# Altium PCB ECU rev B pcb.PcbDoc (part 4 of 6) (continued)
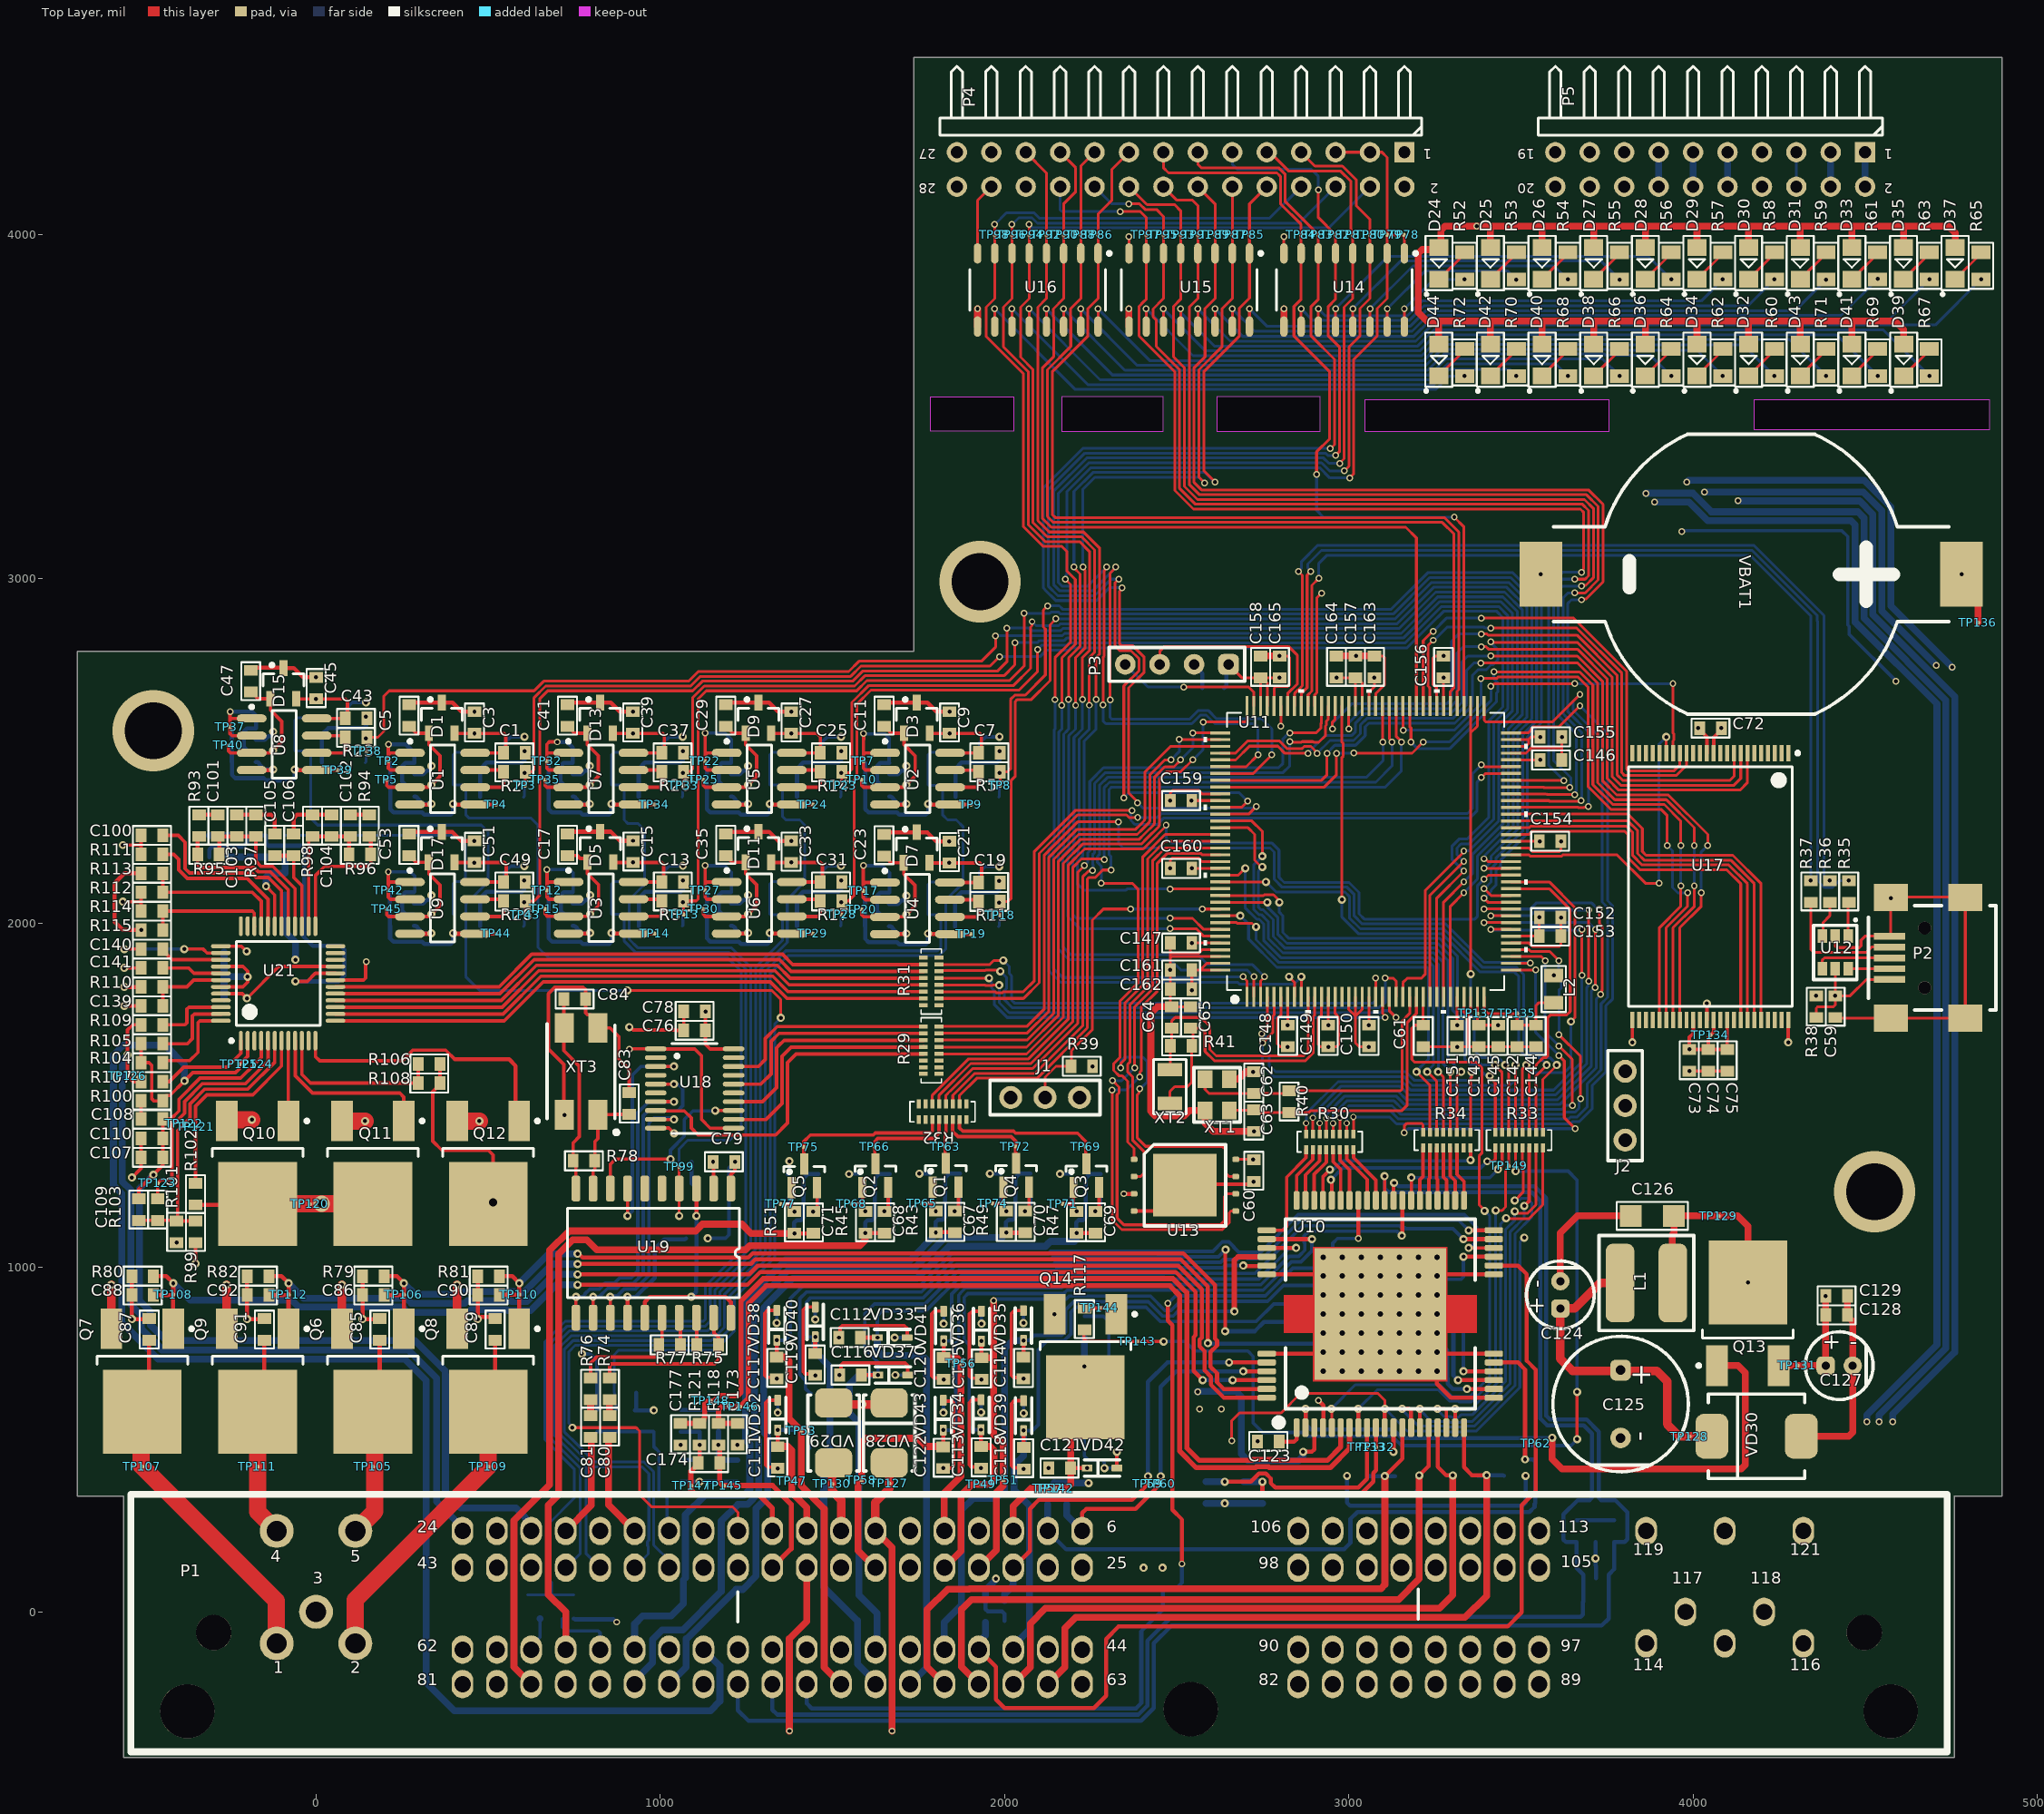
[diagram p0: Top Layer view]
## Nets (pads, with @x,y where several pads share a name; then routed paths per layer and width w, separated by ;. In a path a pad name is that pad's centre, name@x,y a point inside that pad or via, vN(x,y) a via of type N, cw(c..) or ccw(c..) an arc to the next point about the centre after c; other vN are vias at no path point) (continued)
MRD: C111.2 P1.14 TP47.0 VD10.0 VD16.2 VD32.1 | length 487.4
  Top Layer w12: C111.2@1341.36,479.63 v2(1341.36,528.25)
  Top Layer w20: C111.2@1341.36,479.63 1342.04,480.32 1370.08,480.32 1381.89,468.5 ; 1381.89,467.91 1381.89,346.46 1425.39,302.95 P1.14@1425.39,231.42
  Bottom Layer w12: v2(1341.36,528.25) 1424.51,528.25 1433.07,519.69 VD10.0@1433.07,476.38
NCE: U11.95 U17.9 | length 1876.7
  Top Layer w8: v2(2952.76,2564.79) 2952.76,2584.47 2960.59,2592.31 U11.95@2960.59,2630.49 ; v2(3385,2840) 3386,2841 3387,2840 3401.94,2840 3405.1,2836.84 3663.01,2836.84 3779.43,2720.42 3779.43,2431.48 3796.16,2414.76 4107.67,2414.76 4119.32,2426.41 U17.9@4119.32,2494.16
  Bottom Layer w8: v2(2952.76,2564.79) 2952.76,2581.76 3008,2637 3284.8,2637 3299,2651.2 3299,2819.31 3319.69,2840 v2(3385,2840)
NetC5_2: C5.2 D1.3 R1.2 TP5.0 U1.3 | length 379.3
  Top Layer w10: TP5.0@205.39,2416.42 205.39,2400.62 211.25,2394.76 U1.3@273.15,2394.76 324.84,2394.76 ; C5.2@270.39,2571.42 274.33,2571.42 285.08,2560.67 285.08,2557.98 290.94,2552.13 D1.3@327.99,2552.13 327.99,2518.82 360.39,2486.42 360.39,2426.42 v1(335.39,2401.42)
NetC6_2: C6.2 R3.5 R3.6 R3.7 R3.8 TP4.0 U1.5 | length 476.9
  Top Layer w10: U1.5@462.13,2344.76 TP4.0@523.25,2344.76
  Top Layer w12: v1(398.39,2346.42) 400.04,2344.76 U1.5@462.13,2344.76
  Bottom Layer w12: R3.8@215.55,2465.24 215.55,2461.57 215.39,2461.42 215.39,2367.76 R3.5@215.55,2367.6 215.55,2331.26 225.39,2321.42 307.99,2321.42 314.68,2314.73 391.36,2314.73 398.39,2321.76 v1(398.39,2346.42)
NetC11_2: C11.2 D3.3 R4.2 TP10.0 U2.3 | length 379.5
  Top Layer w10: TP10.0@1585.39,2416.42 1585.39,2400.62 1591.25,2394.76 1705.05,2394.76 ; C11.2@1650.39,2571.42 1654.33,2571.42 1665.08,2560.67 1665.08,2557.98 1670.94,2552.13 D3.3@1707.99,2552.13 1707.99,2518.82 1740.39,2486.42 1740.39,2426.42 v1(1715.39,2401.42)
NetC12_2: C12.2 R6.5 R6.6 R6.7 R6.8 TP9.0 U2.5 | length 476.9
  Top Layer w10: U2.5@1842.13,2344.76 TP9.0@1903.25,2344.76
  Top Layer w12: v1(1778.39,2346.42) 1780.04,2344.76 U2.5@1842.13,2344.76
  Bottom Layer w12: R6.8@1595.55,2465.24 1595.55,2461.57 1595.39,2461.42 1595.39,2367.76 R6.5@1595.55,2367.6 1595.55,2331.26 1605.39,2321.42 1687.99,2321.42 1694.68,2314.73 1771.36,2314.73 1778.39,2321.76 v1(1778.39,2346.42)
NetC17_2: C17.2 D5.3 R7.2 TP15.0 U3.3 | length 380.3
  Top Layer w10: TP15.0@665.91,2041.52 665.91,2026.52 672.56,2019.87 785.81,2019.87 ; C17.2@730.91,2196.52 759.48,2196.52 767.55,2188.44 781.69,2188.44 788.5,2181.63 788.5,2143.92 820.91,2111.52 820.91,2051.52 v1(795.91,2026.52)
NetC18_2: C18.2 R9.5 R9.6 R9.7 R9.8 TP14.0 U3.5 | length 476.9
  Top Layer w10: U3.5@922.64,1969.87 TP14.0@983.76,1969.87
  Top Layer w12: v1(858.9,1971.52) 860.55,1969.87 U3.5@922.64,1969.87
  Bottom Layer w12: R9.8@676.06,2090.34 676.06,2086.68 675.91,2086.52 675.91,1992.86 R9.5@676.06,1992.7 676.06,1956.36 685.91,1946.52 768.5,1946.52 775.19,1939.83 851.87,1939.83 858.9,1946.86 v1(858.9,1971.52)
NetC23_2: C23.2 D7.3 R10.2 TP20.0 U4.3 | length 379.4
  Top Layer w10: TP20.0@1585,2040 1585,2024.71 1590.86,2018.85 U4.3@1652.25,2018.85 ; C23.2@1650,2195 1653.94,2195 1664.69,2184.25 1664.69,2181.57 1670.54,2175.71 D7.3@1707.6,2175.71 1707.6,2142.4 1740,2110 1740,2050 v1(1715,2025) ; U4.3@1653.26,2018.85 v1@1706.09,2018.85
NetC24_2: C24.2 R12.5 R12.6 R12.7 R12.8 TP19.0 U4.5 | length 476.9
  Top Layer w10: U4.5@1841.73,1968.35 TP19.0@1902.86,1968.35
  Top Layer w12: v1(1777.99,1970) 1779.65,1968.35 U4.5@1841.73,1968.35
  Bottom Layer w12: R12.8@1595.16,2088.82 1595.16,2085.16 1595,2085 1595,1991.34 R12.5@1595.16,1991.18 1595.16,1954.84 1605,1945 1687.6,1945 1694.28,1938.31 1770.96,1938.31 1777.99,1945.34 v1(1777.99,1970)
NetC29_2: C29.2 D9.3 R13.2 TP25.0 U5.3 | length 379.5
  Top Layer w10: TP25.0@1125.39,2416.42 1125.39,2400.62 1131.25,2394.76 1245.05,2394.76 ; C29.2@1190.39,2571.42 1194.33,2571.42 1205.08,2560.67 1205.08,2557.98 1210.94,2552.13 D9.3@1247.99,2552.13 1247.99,2518.82 1280.39,2486.42 1280.39,2426.42 v1(1255.39,2401.42)
NetC30_2: C30.2 R15.5 R15.6 R15.7 R15.8 TP24.0 U5.5 | length 476.9
  Top Layer w10: U5.5@1382.13,2344.76 TP24.0@1443.25,2344.76
  Top Layer w12: v1(1318.39,2346.42) 1320.04,2344.76 U5.5@1382.13,2344.76
  Bottom Layer w12: R15.8@1135.55,2465.24 1135.55,2461.57 1135.39,2461.42 1135.39,2367.76 R15.5@1135.55,2367.6 1135.55,2331.26 1145.39,2321.42 1227.99,2321.42 1234.68,2314.73 1311.36,2314.73 1318.39,2321.76 v1(1318.39,2346.42)
NetC35_2: C35.2 D11.3 R16.2 TP30.0 U6.3 | length 380.3
  Top Layer w10: TP30.0@1125.39,2041.42 1125.39,2025.62 1131.25,2019.76 1245.05,2019.76 ; C35.2@1190.39,2196.42 1194.33,2196.42 1205.08,2185.67 1205.08,2181.73 1209.69,2177.13 D11.3@1247.99,2177.13 1247.99,2143.82 1280.39,2111.42 1280.39,2051.42 v1(1255.39,2026.42)
NetC36_2: C36.2 R18.5 R18.6 R18.7 R18.8 TP29.0 U6.5 | length 476.9
  Top Layer w10: U6.5@1382.13,1969.76 TP29.0@1443.25,1969.76
  Top Layer w12: v1(1318.39,1971.42) 1320.04,1969.76 U6.5@1382.13,1969.76
  Bottom Layer w12: R18.8@1135.55,2090.24 1135.55,2086.57 1135.39,2086.42 1135.39,1992.76 R18.5@1135.55,1992.6 1135.55,1956.26 1145.39,1946.42 1227.99,1946.42 1234.68,1939.73 1311.36,1939.73 1318.39,1946.76 v1(1318.39,1971.42)
NetC41_2: C41.2 D13.3 R19.2 TP35.0 U7.3 | length 379.5
  Top Layer w10: TP35.0@665.39,2416.42 665.39,2400.62 671.25,2394.76 785.05,2394.76 ; C41.2@730.39,2571.42 734.33,2571.42 745.08,2560.67 745.08,2557.98 750.94,2552.13 D13.3@787.99,2552.13 787.99,2518.82 820.39,2486.42 820.39,2426.42 v1(795.39,2401.42)
NetC42_2: C42.2 R21.5 R21.6 R21.7 R21.8 TP34.0 U7.5 | length 476.9
  Top Layer w10: U7.5@922.13,2344.76 TP34.0@983.25,2344.76
  Top Layer w12: v1(858.39,2346.42) 860.04,2344.76 U7.5@922.13,2344.76
  Bottom Layer w12: R21.8@675.55,2465.24 675.55,2461.57 675.39,2461.42 675.39,2367.76 R21.5@675.55,2367.6 675.55,2331.26 685.39,2321.42 767.99,2321.42 774.68,2314.73 851.36,2314.73 858.39,2321.76 v1(858.39,2346.42)
NetC44_2: C44.2 C96.1 R22.1 R88.2 TP36.0 TP117.0 VD8.2 | length 3869.4
  Top Layer w8: v1(905,1805) 1323.79,1805 1350,1778.79 v1(1350,1725)
  Bottom Layer w8: VD8.2@2.09,2596.42 TP36.0@-26.26,2596.42 -54.61,2596.42 -61.61,2589.41 C44.2@-61.61,2556.42 R22.1@-61.61,2501.42 -60.2,2500 -30,2500 -15,2485 -15,2305 5,2285 480,2285 500,2265 500,2120 435,2055 435,1845 475,1805 v1(905,1805) ; R88.2@871.34,585.12 871.34,601.1 867.28,605.16 C96.1@867.28,636.06 866.14,637.2 TP117.0@866.14,712.6 866.14,746.54 879.6,760 1160,760 1215,815 1215,911 1333,1029 1333,1708 v1(1350,1725)
NetC47_2: C47.2 D15.3 R22.2 TP40.0 U8.3 | length 379.5
  Top Layer w10: TP40.0@-254.61,2516.42 -254.61,2500.62 -248.75,2494.76 -134.95,2494.76 ; C47.2@-189.61,2671.42 -185.67,2671.42 -174.92,2660.67 -174.92,2657.98 -169.06,2652.13 D15.3@-132.01,2652.13 -132.01,2618.82 -99.61,2586.42 -99.61,2526.42 v1(-124.61,2501.42)
NetC48_2: C48.2 R24.5 R24.6 R24.7 R24.8 TP39.0 U8.5 | length 476.9
  Top Layer w10: U8.5@2.13,2444.76 TP39.0@63.25,2444.76
  Top Layer w12: v1(-61.61,2446.42) -59.96,2444.76 U8.5@2.13,2444.76
  Bottom Layer w12: R24.8@-244.45,2565.24 -244.45,2561.57 -244.61,2561.42 -244.61,2467.76 R24.5@-244.45,2467.6 -244.45,2431.26 -234.61,2421.42 -152.01,2421.42 -145.32,2414.73 -68.64,2414.73 -61.61,2421.76 v1(-61.61,2446.42)
NetC50_2: C50.2 C98.1 R25.1 R91.2 TP41.0 TP119.0 VD9.2 | length 796.1
  Bottom Layer w8: R91.2@-90,2255 C98.1@-35,2255 TP119.0@5.17,2255 406.21,2255 433.51,2227.7 TP41.0@433.51,2121.05 ; R25.1@398.16,2026.05 C50.2@398.16,2081.05 398.16,2114.04 405.17,2121.05 TP41.0@433.51,2121.05 ; VD9.2@461.86,2121.05 TP41.0@433.51,2121.05
NetC53_2: C53.2 D17.3 R25.2 TP45.0 U9.3 | length 379.5
  Top Layer w10: TP45.0@205.17,2041.05 205.17,2025.25 211.02,2019.39 324.83,2019.39 ; C53.2@270.17,2196.05 274.1,2196.05 284.85,2185.3 284.85,2182.61 290.71,2176.76 D17.3@327.76,2176.76 327.76,2143.45 360.17,2111.05 360.17,2051.05 v1(335.17,2026.05)
NetC54_2: C54.2 R27.5 R27.6 R27.7 R27.8 TP44.0 U9.5 | length 476.9
  Top Layer w10: U9.5@461.9,1969.39 TP44.0@523.02,1969.39
  Top Layer w12: v1(398.16,1971.05) 399.81,1969.39 U9.5@461.9,1969.39
  Bottom Layer w12: R27.8@215.32,2089.87 215.32,2086.2 215.17,2086.05 215.17,1992.39 R27.5@215.32,1992.23 215.32,1955.89 225.17,1946.05 307.76,1946.05 314.45,1939.36 391.13,1939.36 398.16,1946.39 v1(398.16,1971.05)
NetC80_1: C80.1 R74.1 | length 47.8
  Top Layer w20: R74.1@852.73,616.41 852.73,575.15 855.24,572.63 C80.1@858.27,572.63
NetC81_1: C81.1 R76.1 | length 46.8
  Top Layer w20: C81.1@797.73,569.4 797.73,610.66 798.12,611.05 R76.1@803.15,611.05
NetC82_2: C82.2 U19.3 U19.15 U19.20 | length 837.6
  Top Layer w12: U19.15@955.12,854.33 955.12,900.12 970,915 1085,915 1190,915 1205.12,899.88 U19.20@1205.12,854.33 ; v1(1105,1150) 1105,1225 1105.12,1225.12 U19.3@1105.12,1229.53
  Bottom Layer w12: v1(1090,915) 1104,929 1104,976.63 1105,977.63 1105,1230 1090.55,1244.45 C82.2@1090.55,1307.09
NetC83_2: C83.2 R78.1 U19.9 XT3.1 | length 311.6
  Top Layer w10: U19.9@805.12,1229.53 805,1229.65 805,1280 810,1285 R78.1@810,1310 810,1365 819.21,1374.21 XT3.1@819.21,1444.02 864.02,1444.02 865,1445 C83.2@910,1445
NetC84_2: C84.2 R78.2 U19.10 XT3.2 | length 581
  Top Layer w10: C84.2@720,1780 XT3.2@720,1696.77 ; XT3.2@720.79,1695.98 XT3.2@720,1696.77 ; U19.10@755.12,1229.53 755.12,1301.89 R78.2@747.01,1310 747.01,1362.01 765,1380 765,1585 720,1630 XT3.2@720,1696.77
NetC93_2: C93.2 R83.1 R84.1 | length 110
  Bottom Layer w12: R84.1@3661.78,265.55 R83.1@3771.78,265.55
NetC95_2: C95.2 R86.2 | length 55
  Bottom Layer w20: C95.2@-310,2255 R86.2@-255,2255
NetC100_1: C100.1 U21.30 | length 559.3
  Top Layer w10: C100.1@-445,2255 -400,2255 -380,2235 -380,2158.69 -367.31,2146 -186.25,2146 -173.25,2133 -138.48,2133 -100.16,2094.68 U21.30@-100.16,1991.34
NetC101_1: C101.1 R93.1 | length 55
  Top Layer w12: R93.1@-340,2315 C101.1@-285,2315
NetC101_2: C101.2 C103.1 R95.1 R97.1 U21.28 | length 492
  Top Layer w10: R97.1@-175,2252.01 -175,2180 -160,2165 -125.23,2165 -60.79,2100.56 U21.28@-60.79,1991.34
  Top Layer w12: R95.1@-280.94,2200 -280.94,2247.95 C101.2@-285,2252.01 C103.1@-230,2252.01 R97.1@-175,2252.01
NetC102_1: C102.1 R94.1 | length 55
  Top Layer w12: C102.1@100,2315 R94.1@155,2315
NetC102_2: C102.2 C104.1 R96.1 R98.1 U21.26 | length 428.8
  Top Layer w10: U21.26@-21.42,1991.34 -21.42,2241.26 R98.1@-10.67,2252.01
  Top Layer w12: R98.1@-10,2252.01 C102.2@100,2252.01 96.06,2248.07 R96.1@96.06,2200
NetC103_2: C103.2 C105.2 R97.2 | length 160.1
  Top Layer w12: C103.2@-230,2315 R97.2@-175,2315 -130,2315 -120,2305 C105.2@-120,2259.06
NetC104_2: C104.2 C106.1 R98.2 | length 160.1
  Top Layer w12: C106.1@-65,2259.06 -65,2305 -55,2315 R98.2@-10,2315 C104.2@45,2315
NetC105_1: C105.1 C106.2 U21.27 | length 269.6
  Top Layer w10: C106.2@-65,2196.06 -65,2133.36 -41.1,2109.46 U21.27@-41.1,1991.34
  Top Layer w12: C105.1@-120,2196.06 C106.2@-65,2196.06
NetC108_1: C108.1 R100.1 | length 53.4
  Top Layer w10: C108.1@-507.99,1431.65 R100.1@-507.99,1485
NetC109_1: C109.1 R99.2 R101.1 R103.2 TP122.0 U21.6 | length 880.8
  Top Layer w10: C109.1@-515,1137.01 -407.01,1137.01 R101.1@-405,1135 ; R99.2@-350,1135 R101.1@-405,1135 ; U21.6@-119.84,1658.66 -119.84,1596.64 -198.54,1517.94 -323.49,1517.94 -366,1475.43 -366,1434.14 TP122.0@-382,1418.14 -402.25,1397.89 -402.25,1137.75 R101.1@-405,1135
NetC123_1: C123.1 U10.1 | length 87.9
  Top Layer w12: C123.1@2797.66,493.92 2841.5,493.92 2848.78,501.2 U10.1@2848.78,535
NetC139_2: C139.2 R110.1 U21.42 | length 231.9
  Top Layer w10: C139.2@-445,1760 R110.1@-445,1815 -375,1815 -355.16,1834.84 U21.42@-276.34,1834.84
NetC140_1: C140.1 U21.38 | length 335.3
  Top Layer w10: v1(-557.44,1925) C140.1@-507.99,1925 ; v1(-382.9,1925) -327.91,1925 -316.49,1913.58 U21.38@-276.34,1913.58
  Bottom Layer w10: v1(-557.44,1925) v1(-382.9,1925)
NetC140_2: C140.2 U21.39 | length 183.8
  Top Layer w10: C140.2@-445,1925 -445,1921.06 -434.25,1910.31 -417.82,1893.88 U21.39@-276.34,1893.9
NetC141_1: C141.1 U21.41 | length 175.1
  Top Layer w10: C141.1@-445,1870 -370,1870 -354.53,1854.53 U21.41@-276.34,1854.53
NetC142_1: C142.1 C144.2 L2.1 TP135.0 U11.36 | length 339.4
  Top Layer w8: U11.36@3393.66,1786.49 3393.66,1748.42 3404.07,1738.02 TP135.0@3489.38,1738.02 C142.1@3489.38,1703.81 C144.2@3544.5,1703.81 3544.5,1761.1 3552.91,1769.51 L2.1@3595.68,1769.51
NetC143_1: C143.1 C145.2 J2.2 TP137.0 U11.35 | length 764.6
  Top Layer w8: U11.35@3373.98,1786.49 3373.98,1708.31 C143.1@3378.48,1703.81 v2(3434.26,1703.81)
  Power w20: v2(3434.26,1703.81) 3479.45,1749 3688,1749 3733,1704 3733,1497.14 3759.84,1470.3 3802.93,1470.3 J2.2@3803.15,1470.08
NetC146_2: C146.2 C147.2 U11.68 U11.103 U11.140 | length 1845
  Top Layer w8: v1(2544.5,1942.74) U11.140@2627.17,1942.74 ; v2@2803.13,2572.68 U11.103@2803.11,2630.49 ; U11.68@3471.17,2474.24 v1(3556.31,2474.24)
  Power w10: v1(2544.5,1942.74) 2544.5,1941.55 v1@2547.24,1938.8
  Power w20: v1@2547.24,1938.8 2547.24,2084.47 2610.24,2147.47 2610.24,2449.28 2621.95,2461 2803.15,2461 ; v2(2803.15,2572.66) 2803.15,2461 ; v1(3556.31,2474.24) 3408.25,2474.24 3396.53,2485.95 3319.5,2485.95 3295.97,2462.43 3119.43,2462.43 3118,2461 2803.15,2461
NetC170_2: C170.2 R119.1 R120.1 | length 110.8
  Bottom Layer w12: R119.1@1059.06,586.61 1059.74,585.93 1113.49,585.93 R120.1@1114.17,586.61 C170.2@1169.29,586.61
NetD19_+: D19.1 Q1.1 R43.2 TP65.0 | length 155.9
  Top Layer w10: TP65.0@1760.63,1186.02 1791.83,1186.02 ; Q1.1@1791.83,1233.39 1791.83,1186.02 ; v1(1800.59,1164) 1791.83,1172.76 1791.83,1186.02
  Bottom Layer w10: D19.1@1784.25,1205.71 1784.25,1178.15 1800,1162.4 1800.59,1162.99 v1(1800.59,1164)
NetD20_+: D20.1 Q2.1 R45.2 TP68.0 | length 155.9
  Top Layer w10: TP68.0@1556.34,1184.96 1587.54,1184.96 ; Q2.1@1587.54,1232.33 1587.54,1184.96 ; v1(1596.3,1162.94) 1587.54,1171.7 1587.54,1184.96
  Bottom Layer w10: D20.1@1579.96,1204.65 1579.96,1177.09 1595.71,1161.34 1596.3,1161.93 v1(1596.3,1162.94)
NetD21_+: D21.1 Q3.1 R47.2 TP71.0 | length 155.9
  Top Layer w10: TP71.0@2169.29,1185.04 2200.49,1185.04 ; Q3.1@2200.49,1232.41 2200.49,1185.04 ; v1(2209.25,1163.02) 2200.49,1171.78 2200.49,1185.04
  Bottom Layer w10: D21.1@2192.91,1204.72 2192.91,1177.17 2208.66,1161.42 2209.25,1162.01 v1(2209.25,1163.02)
NetD22_+: D22.1 Q4.1 R49.2 TP74.0 | length 155.9
  Top Layer w10: TP74.0@1965.39,1186.02 1996.59,1186.02 ; Q4.1@1996.59,1233.39 1996.59,1186.02 ; v1(2005.35,1164) 1996.59,1172.76 1996.59,1186.02
  Bottom Layer w10: D22.1@1989.02,1205.71 1989.02,1178.15 2004.76,1162.4 2005.35,1162.99 v1(2005.35,1164)
NetD23_+: D23.1 Q5.1 R51.2 TP77.0 | length 155.9
  Top Layer w10: TP77.0@1349.84,1184.53 1381.04,1184.53 ; Q5.1@1381.04,1231.9 1381.04,1184.53 ; v1(1389.8,1162.5) 1381.04,1171.27 1381.04,1184.53
  Bottom Layer w10: D23.1@1373.46,1204.21 1373.46,1176.65 1389.21,1160.91 1389.8,1161.5 v1(1389.8,1162.5)
NetD24_-: D24.1 R52.2 | length 106.1
  Top Layer w8: D24.1@3262.41,3869.98 R52.2@3337.41,3944.98
NetD25_-: D25.1 R53.2 | length 106.1
  Top Layer w8: D25.1@3411.83,3869.98 R53.2@3486.83,3944.98
NetD26_-: D26.1 R54.2 | length 106.1
  Top Layer w8: D26.1@3561.83,3869.98 R54.2@3636.83,3944.98
NetD27_-: D27.1 R55.2 | length 106.1
  Top Layer w8: D27.1@3711.83,3869.98 R55.2@3786.83,3944.98
NetD28_-: D28.1 R56.2 | length 106.1
  Top Layer w8: D28.1@3861.83,3869.98 R56.2@3936.83,3944.98
NetD29_-: D29.1 R57.2 | length 106.1
  Top Layer w8: D29.1@4011.83,3869.98 R57.2@4086.83,3944.98
NetD30_-: D30.1 R58.2 | length 106.1
  Top Layer w8: D30.1@4161.83,3869.98 R58.2@4236.83,3944.98
NetD31_-: D31.1 R59.2 | length 106.1
  Top Layer w8: D31.1@4311.83,3869.98 R59.2@4386.83,3944.98
NetD32_-: D32.1 R60.2 | length 106.1
  Top Layer w8: D32.1@4161.83,3589.27 R60.2@4236.83,3664.27
NetD33_-: D33.1 R61.2 | length 106.1
  Top Layer w8: D33.1@4461.83,3869.98 R61.2@4536.83,3944.98
NetD34_-: D34.1 R62.2 | length 106.1
  Top Layer w8: D34.1@4011.83,3589.27 R62.2@4086.83,3664.27
NetD35_-: D35.1 R63.2 | length 106.1
  Top Layer w8: D35.1@4611.83,3869.98 R63.2@4686.83,3944.98
NetD36_-: D36.1 R64.2 | length 106.1
  Top Layer w8: D36.1@3861.83,3589.27 R64.2@3936.83,3664.27
NetD37_-: D37.1 R65.2 | length 106.1
  Top Layer w8: D37.1@4761.83,3869.98 R65.2@4836.83,3944.98
NetD38_-: D38.1 R66.2 | length 106.1
  Top Layer w8: D38.1@3711.83,3589.27 R66.2@3786.83,3664.27
NetD39_-: D39.1 R67.2 | length 106.1
  Top Layer w8: D39.1@4612.41,3589.27 R67.2@4687.41,3664.27
NetD40_-: D40.1 R68.2 | length 106.1
  Top Layer w8: D40.1@3561.83,3589.27 R68.2@3636.83,3664.27
NetD41_-: D41.1 R69.2 | length 106.1
  Top Layer w8: D41.1@4461.83,3589.27 R69.2@4536.83,3664.27
NetD42_-: D42.1 R70.2 | length 106.1
  Top Layer w8: D42.1@3411.83,3589.27 R70.2@3486.83,3664.27
NetD43_-: D43.1 R71.2 | length 106.1
  Top Layer w8: D43.1@4311.83,3589.27 R71.2@4386.83,3664.27
NetD44_-: D44.1 R72.2 | length 106.1
  Top Layer w8: D44.1@3261.83,3589.27 R72.2@3336.83,3664.27
NetP2_2: P2.2 U12.6 | length 120.1
  Top Layer w8: U12.6@4450.79,1867.94 P2.2@4570.87,1867.94
NetP2_3: P2.3 U12.4 | length 222.9
  Top Layer w8: U12.4@4375.98,1867.94 4375.98,1893.53 4381.89,1899.43 P2.3@4570.87,1899.43
NetP2_4: P2.4 R37.2 | length 375.9
  Top Layer w8: R37.2@4342.52,2060.85 4342.52,1923.06 4350.39,1915.18 4503.94,1915.18 4519.69,1930.93 P2.4@4570.87,1930.93
NetQ10_1: Q10.1 U21.8 | length 232
  Top Layer w10: Q10.1@-80.47,1425.63 U21.8@-80.47,1657.63
NetQ11_1: Q11.1 U21.9 | length 511.8
  Top Layer w10: U21.9@-60.44,1658.32 -60.44,1557.11 -9.77,1506.44 243.47,1506.44 255.16,1494.75 Q11.1@255.16,1425.63
NetQ12_1: Q12.1 U21.12 | length 828.6
  Top Layer w10: U21.12@-1.73,1658.66 -1.73,1613.01 10.94,1600.34 250.59,1600.34 281.54,1631.29 376.77,1631.29 403.34,1604.72
  Top Layer w12: 403.34,1604.72 561.01,1604.72 580,1585.73 580,1435.79 Q12.1@590.16,1425.63
NetQ14_1: Q14.1 R117.1 TP144.0 | length 100
  Top Layer w10: R117.1@2232.28,881.89 2307.45,881.89 Q14.1@2324.99,864.35
NetR2_1: R2.1 U1.6 U1.7 | length 208.7
  Top Layer w10: U1.6@462.13,2394.76 538.74,2394.76 544.65,2400.67 R2.1@544.65,2439.76 539.65,2444.76 U1.7@462.13,2444.76
NetR3_1: R3.1 R3.3 TP2.0 U1.1 U1.2 | length 444.5
  Top Layer w10: v2(211,2520) 210.39,2519.39 210.39,2488.91 ; U1.2@273.15,2444.76 216.25,2444.76 210.39,2450.62 210.39,2488.91 ; U1.1@273.15,2494.76 216.25,2494.76 210.39,2488.91
  Bottom Layer w12: v2(211,2520) 261,2520 285.24,2495.76 R3.1@285.24,2465.24 259.21,2465.24 250.39,2456.42 250.39,2411.42 261.14,2400.67 R3.3@285.24,2400.67 286.14,2400.67 R3.3@290.39,2396.42
NetR5_1: R5.1 U2.6 U2.7 | length 207.8
  Top Layer w10: U2.6@1842.13,2394.76 1918.74,2394.76 1924.65,2400.67 R5.1@1924.65,2439.76 1920.23,2444.18 U2.7@1842.71,2444.18
NetR6_1: R6.1 R6.3 TP7.0 U2.1 U2.2 | length 513.2
  Top Layer w10: 1590.55,2535 1590.55,2489.06 ; v2(1590.71,2551.18) 1591,2550.89 1591,2535 ; U2.2@1653.15,2444.76 1596.25,2444.76 1590.39,2450.62 TP7.0@1590.39,2470.16 1590.55,2470.32 1590.55,2489.06 ; U2.1@1653.15,2494.76 1596.25,2494.76 1590.55,2489.06
  Bottom Layer w10: v2(1590.71,2551.18) 1591.89,2550 1653,2550 1665.24,2537.76 R6.1@1665.24,2465.24
  Bottom Layer w12: R6.1@1665.24,2465.24 1639.21,2465.24 1630.39,2456.42 1630.39,2411.42 1641.14,2400.67 R6.3@1665.24,2400.67 1666.14,2400.67 R6.3@1670.39,2396.42
NetR8_1: R8.1 U3.6 U3.7 | length 208.7
  Top Layer w10: U3.6@922.64,2019.87 999.25,2019.87 1005.16,2025.77 R8.1@1005.16,2064.87 1000.16,2069.87 U3.7@922.64,2069.87
NetR9_1: R9.1 R9.3 TP12.0 U3.1 U3.2 | length 476.6
  Top Layer w10: v2(671,2156) 670.95,2155.95 670.95,2114.05 ; U3.2@733.66,2069.87 676.76,2069.87 670.91,2075.72 TP12.0@670.91,2095.26 670.95,2095.31 670.95,2114.05 ; U3.1@733.66,2119.87 676.76,2119.87 670.95,2114.05
  Bottom Layer w10: v2(671,2156) 737,2156 747,2146 747,2091.59 R9.1@745.75,2090.34
  Bottom Layer w12: R9.1@745.75,2090.34 719.72,2090.34 710.91,2081.52 710.91,2036.52 721.65,2025.77 R9.3@745.75,2025.77 746.65,2025.77 R9.3@750.91,2021.52
NetR11_1: R11.1 U4.6 U4.7 | length 208.7
  Top Layer w10: U4.6@1841.73,2018.35 1918.35,2018.35 1924.25,2024.25 R11.1@1924.25,2063.35 1919.25,2068.35 U4.7@1841.73,2068.35
NetR12_1: R12.1 R12.3 TP17.0 U4.1 U4.2 | length 495.6
  Top Layer w10: v2(1590,2167.23) 1590,2112.49 ; U4.2@1652.76,2068.35 1595.86,2068.35 1590,2074.2 1590,2112.49 ; U4.1@1652.76,2118.35 1595.86,2118.35 1590,2112.49
  Bottom Layer w10: v2(1590,2167.23) 1590.23,2167 1645,2167 1666,2146 1666,2089.98 R12.1@1664.84,2088.82
  Bottom Layer w12: R12.1@1664.84,2088.82 1638.82,2088.82 1630,2080 1630,2035 1640.75,2024.25 R12.3@1664.84,2024.25 1665.75,2024.25 R12.3@1670,2020
NetR14_1: R14.1 U5.6 U5.7 | length 208.7
  Top Layer w10: U5.6@1382.13,2394.76 1458.74,2394.76 1464.65,2400.67 R14.1@1464.65,2439.76 1459.65,2444.76 U5.7@1382.13,2444.76
NetR15_1: R15.1 R15.3 TP22.0 U5.1 U5.2 | length 516.8
  Top Layer w10: v2(1130.26,2552.74) 1130.39,2552.61 1130.39,2488.91 ; U5.2@1193.15,2444.76 1136.25,2444.76 1130.39,2450.62 1130.39,2488.91 ; U5.1@1193.15,2494.76 1136.25,2494.76 1130.39,2488.91
  Bottom Layer w10: v2(1130.26,2552.74) 1130.26,2551.74 1131,2551 1132.74,2552.74 1187.26,2552.74 1206,2534 1206,2466 R15.1@1205.24,2465.24
  Bottom Layer w12: R15.1@1205.24,2465.24 1179.21,2465.24 1170.39,2456.42 1170.39,2411.42 1181.14,2400.67 R15.3@1205.24,2400.67 1206.14,2400.67 R15.3@1210.39,2396.42
NetR17_1: R17.1 U6.6 U6.7 | length 208.4
  Top Layer w10: U6.6@1382.13,2019.76 1458.74,2019.76 1464.65,2025.67 R17.1@1464.65,2064.76 1459.85,2069.56 U6.7@1382.33,2069.56
NetR18_1: R18.1 R18.3 TP27.0 U6.1 U6.2 | length 496.4
  Top Layer w10: v2(1130,2168) 1130.39,2167.61 1130.39,2113.91 ; U6.2@1193.15,2069.76 1136.25,2069.76 1130.39,2075.62 1130.39,2113.91 ; U6.1@1193.15,2119.76 1136.25,2119.76 1130.39,2113.91
  Bottom Layer w10: v2(1130,2168) 1131,2167 1188,2167 1207,2148 1207,2092 R18.1@1205.24,2090.24
  Bottom Layer w12: R18.1@1205.24,2090.24 1179.21,2090.24 1170.39,2081.42 1170.39,2036.42 1181.14,2025.67 R18.3@1205.24,2025.67 1206.14,2025.67 R18.3@1210.39,2021.42
NetR20_1: R20.1 U7.6 U7.7 | length 208.7
  Top Layer w10: U7.6@922.13,2394.76 998.74,2394.76 1004.65,2400.67 R20.1@1004.65,2439.76 999.65,2444.76 U7.7@922.13,2444.76
NetR21_1: R21.1 R21.3 TP32.0 U7.1 U7.2 | length 456.5
  Top Layer w10: v2(701.24,2526.76) 677.76,2526.76 670.39,2519.39 670.39,2494.76 ; U7.2@733.15,2444.76 676.25,2444.76 670.39,2450.62 670.39,2494.76 ; U7.1@733.15,2494.76 670.39,2494.76
  Bottom Layer w12: v2(701.24,2526.76) 702,2526 730,2526 745.24,2510.76 R21.1@745.24,2465.24 719.21,2465.24 710.39,2456.42 710.39,2411.42 721.14,2400.67 R21.3@745.24,2400.67 746.14,2400.67 R21.3@750.39,2396.42
NetR23_1: R23.1 U8.6 U8.7 | length 208.7
  Top Layer w10: U8.6@2.13,2494.76 78.74,2494.76 84.65,2500.67 R23.1@84.65,2539.76 79.65,2544.76 U8.7@2.13,2544.76
NetR24_1: R24.1 R24.3 TP37.0 U8.1 U8.2 | length 440.3
  Top Layer w10: v2(-249,2615) -249.61,2614.39 -249.61,2594.76 ; U8.2@-186.85,2544.76 -243.75,2544.76 -249.61,2550.62 -249.61,2594.76 ; U8.1@-186.85,2594.76 -249.61,2594.76
  Bottom Layer w12: v2(-249,2615) -186,2615 -174,2603 -174,2570 -174.76,2569.24 R24.1@-174.76,2565.24 -200.79,2565.24 -209.61,2556.42 -209.61,2511.42 -198.86,2500.67 R24.3@-174.76,2500.67 -173.86,2500.67 R24.3@-169.61,2496.42
NetR26_1: R26.1 U9.6 U9.7 | length 208.7
  Top Layer w10: U9.6@461.9,2019.39 538.51,2019.39 544.42,2025.3 R26.1@544.42,2064.39 539.42,2069.39 U9.7@461.9,2069.39
NetR27_1: R27.1 R27.3 TP42.0 U9.1 U9.2 | length 463.8
  Top Layer w10: v2(210,2149) 210.08,2148.92 210.08,2113.54 ; U9.2@272.92,2069.39 216.02,2069.39 210.17,2075.25 210.17,2113.54 216.02,2119.39 U9.1@272.92,2119.39
  Bottom Layer w10: v2(210,2149) 275,2149 287,2137 287,2091.86 R27.1@285.01,2089.87
  Bottom Layer w12: R27.1@285.01,2089.87 258.98,2089.87 250.17,2081.05 250.17,2036.05 260.91,2025.3 R27.3@285.01,2025.3 285.91,2025.3 R27.3@290.17,2021.05
NetR35_2: R35.2 U12.1 | length 99.2
  Top Layer w8: U12.1@4450.79,1962.43 4450.79,2058.88 R35.2@4452.76,2060.85
NetR36_2: R36.2 U12.3 | length 107.4
  Top Layer w8: U12.3@4375.98,1962.43 4377.95,1964.39 4377.95,2001.8 4397.64,2021.48 R36.2@4397.64,2060.85
NetR52_1: R52.1 U14.16 | length 261.8
  Top Layer w8: U14.16@3161.83,3732.97 v2(3161.83,3784.27)
  Bottom Layer w8: v2(3161.83,3784.27) 3247.54,3869.98 v2(3336.83,3869.98)
NetR53_1: R53.1 U14.15 | length 482.2
  Top Layer w8: U14.15@3111.83,3732.97 v2(3111.83,3784.27)
  Bottom Layer w8: v2(3111.83,3784.27) 3221.83,3894.27 3461.83,3894.27 v2(3486.83,3869.27)
NetR54_1: R54.1 U14.14 | length 694.4
  Top Layer w8: U14.14@3061.83,3732.97 v2(3061.83,3784.27)
  Bottom Layer w8: v2(3061.83,3784.27) 3186.83,3909.27 3596.83,3909.27 3636.12,3869.98 v2(3636.83,3869.98)
NetR55_1: R55.1 U14.13 | length 913.2
  Top Layer w8: U14.13@3011.83,3732.97 v2(3011.83,3784.27)
  Bottom Layer w8: v2@3009.59,3790.24 3009.59,3786.5 v2(3011.83,3784.27) 3150.83,3923.27 3732.83,3923.27 v2(3786.83,3869.27)
NetR56_1: R56.1 U14.12 | length 1117.5
  Top Layer w8: U14.12@2961.83,3732.97 v2(2961.83,3784.27)
  Bottom Layer w8: v2(2961.83,3784.27) 3114.83,3937.27 3869.53,3937.27 v2(3936.83,3869.98)
NetR57_1: R57.1 U14.11 | length 1285.1
  Top Layer w8: U14.11@2911.83,3732.97 v2(2911.83,3784.27)
  Bottom Layer w8: v2@2909.41,3790.11 2909.41,3789.85 2911.83,3787.43 v2(2911.83,3784.27) 2931.67,3764.43 3170.05,3764.43 3212.89,3807.27 4024.12,3807.27 v2(4086.83,3869.98)